# KiCad board keyboard0 - SK6812.kicad_pcb
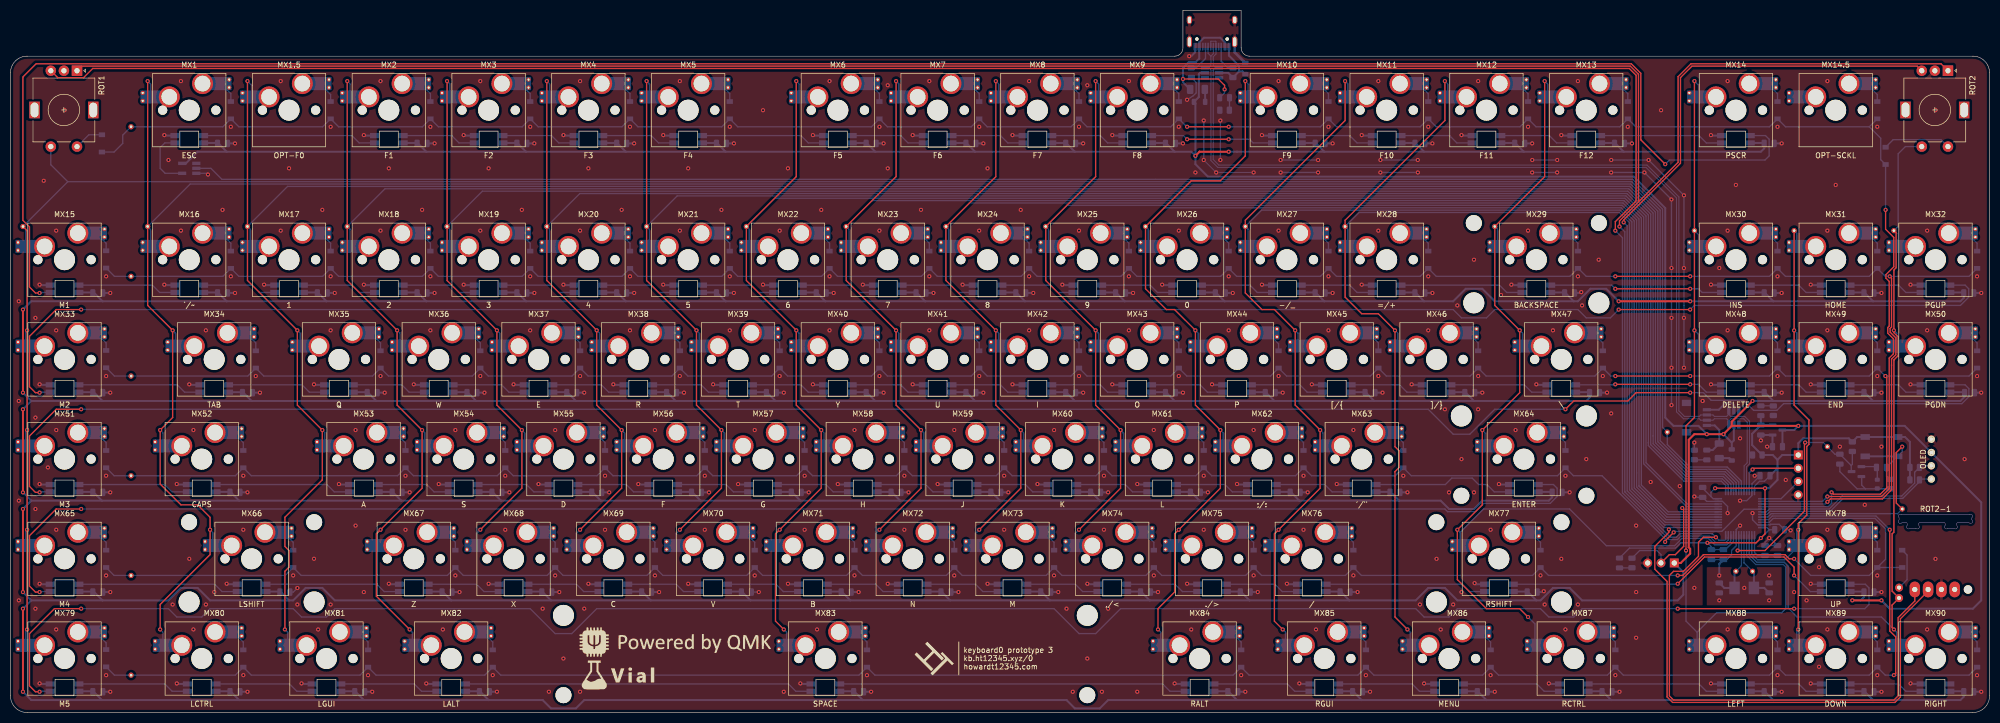
[diagram p0: board, top side]
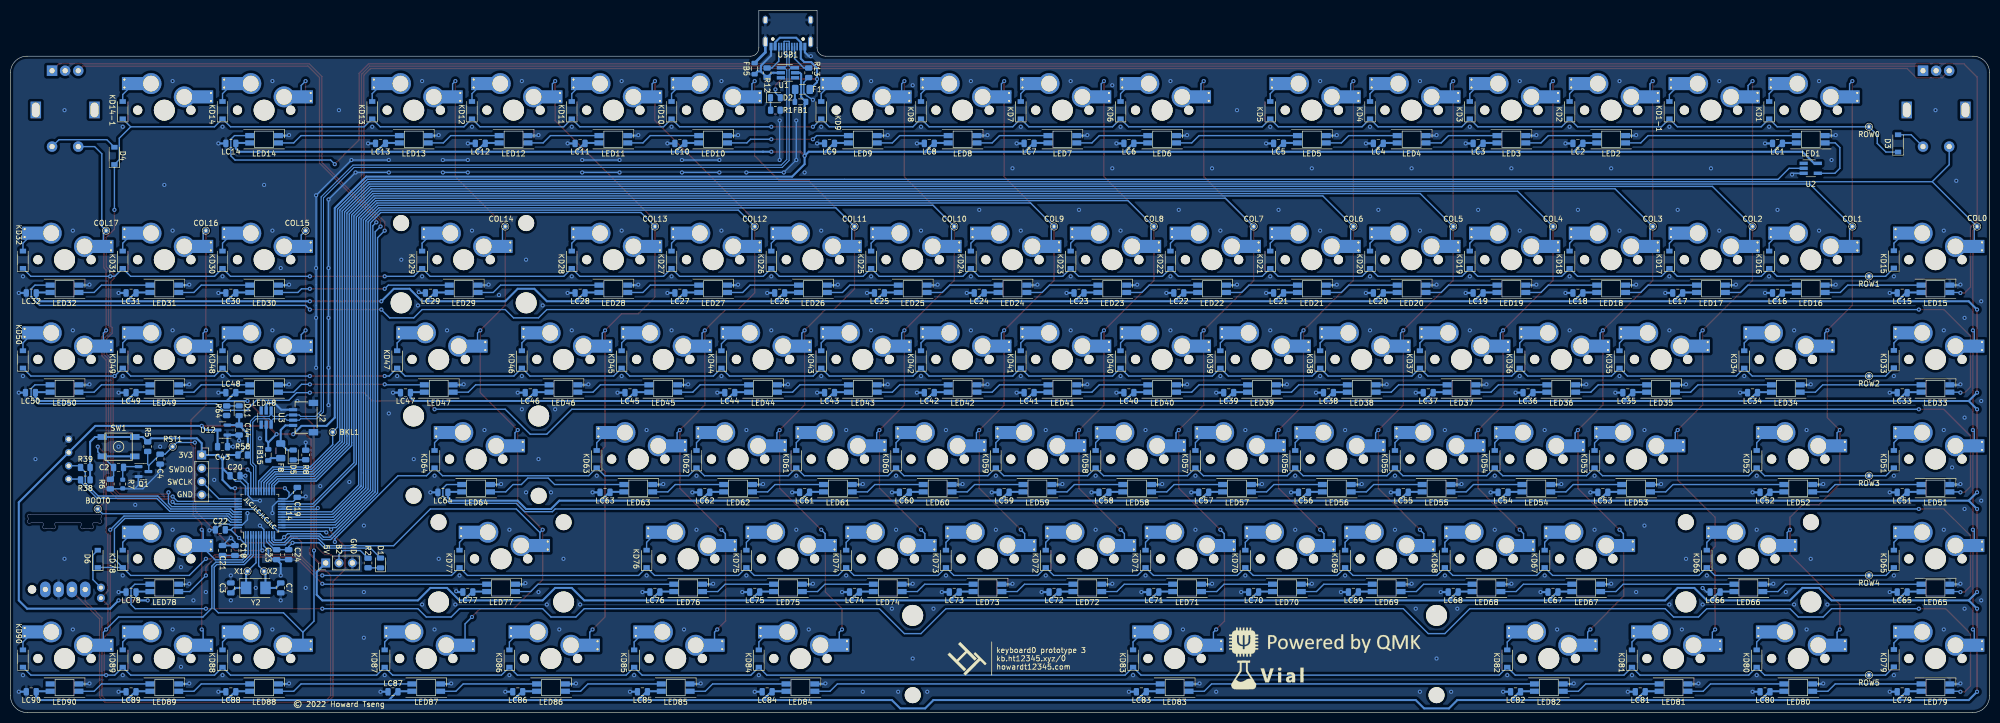
[diagram p1: board, bottom side, seen from below]

Outline 377.8 x 134.14 mm; copper layers: Top, Bottom. Coordinates in mm from the lower left corner of the outline.
Outline path: 0,122.23 arc(0.93,124.47) 3.17,125.4 222.24,125.4 arc(223.36,125.87) 223.82,126.99 223.82,134.14 234.94,134.14 234.94,126.99 arc(235.4,125.87) 236.52,125.4 374.63,125.4 arc(376.87,124.47) 377.8,122.23 377.8,3.17 arc(376.87,0.93) 374.63,0 3.17,0 arc(0.93,0.93) 0,3.17 0,122.23
Stack: Top 0.035mm / dielectric 1.51mm FR4 er 4.5 / Bottom 0.035mm

## Placement (name value [footprint] x y rotation side)
BKL1  TestPoint_Small  [TestPoint_THTPad_D1.0mm_Drill0.5mm]  316.29 53.57 0 bottom
BOOT0  TestPoint_Small  [TestPoint_THTPad_D1.0mm_Drill0.5mm]  361.13 38.89 0 bottom
C2  4.7uF  [C_0805_2012Metric]  357.16 46.83 0 bottom
C3  20pF  [C_0805_2012Metric]  335.74 23.81 90 bottom
C4  1uF  [C_0805_2012Metric]  349.23 48.42 270 bottom
C7  20pF  [C_0805_2012Metric]  326.21 23.81 270 bottom
C18  100nF  [C_0805_2012Metric]  334.94 30.95 90 bottom
C19  100nF  [C_0805_2012Metric]  323.04 42.07 270 bottom
C20  100nF  [C_0805_2012Metric]  334.94 45.24 180 bottom
C21  10uF  [C_0805_2012Metric]  337.32 30.95 90 bottom
C22  100nF  [C_0805_2012Metric]  337.74 34.92 0 bottom
C23  10nF  [C_0805_2012Metric]  327 30.16 90 bottom
C24  1uF  [C_0805_2012Metric]  324.7 30.16 270 bottom
C43  1uF  [C_0805_2012Metric]  337.32 50.8 180 bottom
C44  1uF  [C_0805_2012Metric]  334.15 53.97 270 bottom
COL0  TestPoint_Small  [TestPoint_THTPad_D1.0mm_Drill0.5mm]  2.38 92.86 0 bottom
COL1  TestPoint_Small  [TestPoint_THTPad_D1.0mm_Drill0.5mm]  26.19 92.86 180 bottom
COL2  TestPoint_Small  [TestPoint_THTPad_D1.0mm_Drill0.5mm]  45.24 92.86 180 bottom
COL3  TestPoint_Small  [TestPoint_THTPad_D1.0mm_Drill0.5mm]  64.29 92.86 180 bottom
COL4  TestPoint_Small  [TestPoint_THTPad_D1.0mm_Drill0.5mm]  83.34 92.86 180 bottom
COL5  TestPoint_Small  [TestPoint_THTPad_D1.0mm_Drill0.5mm]  102.39 92.86 180 bottom
COL6  TestPoint_Small  [TestPoint_THTPad_D1.0mm_Drill0.5mm]  121.44 92.86 180 bottom
COL7  TestPoint_Small  [TestPoint_THTPad_D1.0mm_Drill0.5mm]  140.48 92.86 180 bottom
COL8  TestPoint_Small  [TestPoint_THTPad_D1.0mm_Drill0.5mm]  159.53 92.86 180 bottom
COL9  TestPoint_Small  [TestPoint_THTPad_D1.0mm_Drill0.5mm]  178.58 92.86 180 bottom
COL10  TestPoint_Small  [TestPoint_THTPad_D1.0mm_Drill0.5mm]  197.63 92.86 180 bottom
COL11  TestPoint_Small  [TestPoint_THTPad_D1.0mm_Drill0.5mm]  216.68 92.86 180 bottom
COL12  TestPoint_Small  [TestPoint_THTPad_D1.0mm_Drill0.5mm]  235.73 92.86 180 bottom
COL13  TestPoint_Small  [TestPoint_THTPad_D1.0mm_Drill0.5mm]  254.78 92.86 180 bottom
COL14  TestPoint_Small  [TestPoint_THTPad_D1.0mm_Drill0.5mm]  283.35 92.86 180 bottom
COL15  TestPoint_Small  [TestPoint_THTPad_D1.0mm_Drill0.5mm]  321.47 92.07 180 bottom
COL16  TestPoint_Small  [TestPoint_THTPad_D1.0mm_Drill0.5mm]  340.5 92.07 180 bottom
COL17  TestPoint_Small  [TestPoint_THTPad_D1.0mm_Drill0.5mm]  359.55 92.07 180 bottom
D1  Green  [LED_0805_2012Metric]  307.16 28.57 90 bottom
D2  Red  [LED_0805_2012Metric]  231.78 117.47 180 bottom
D3  SOD-123  [D_SOD-123]  17.46 108.74 90 bottom
D4  SOD-123  [D_SOD-123]  357.96 106.36 90 bottom
D5  Red  [LED_0805_2012Metric]  323.83 49.21 90 bottom
D6  SOD-123  [D_SOD-123]  361.13 29.37 90 bottom
D11  Red  [LED_0805_2012Metric]  334.15 57.66 270 bottom
F1  500mA  [Fuse_1206_3216Metric]  226.6 119.06 0 bottom
F8  500mA  [Fuse_1206_3216Metric]  326.21 50 270 bottom
FB1  60 @ 100 MHz  [L_0805_2012Metric]  227 116.67 180 bottom
FB5  60 @ 100 MHz  [L_0805_2012Metric]  235.74 123.02 90 bottom
FB15  60 @ 100 MHz  [L_0805_2012Metric]  328.59 49.21 90 bottom
J1  Conn_01x04  [PinSocket_1x04_P2.54mm_Vertical]  341.29 49.21 180 bottom
J2  SM04B-SRSS-TB(LF)(SN)  [JST-SR-4]  319.07 56.35 90 bottom
J3  Conn_01x03  [PinHeader_1x03_P2.54mm_Vertical]  317.62 28.57 90 bottom
KD1  SOD-123  [D_SOD-123]  42.07 115.09 90 bottom
KD1-1  SOD-123  [D_SOD-123]  61.11 115.09 90 bottom
KD2  SOD-123  [D_SOD-123]  80.16 115.09 90 bottom
KD3  SOD-123  [D_SOD-123]  99.21 115.09 90 bottom
KD4  SOD-123  [D_SOD-123]  118.26 115.09 90 bottom
KD5  SOD-123  [D_SOD-123]  137.31 115.09 90 bottom
KD6  SOD-123  [D_SOD-123]  165.88 115.09 90 bottom
KD7  SOD-123  [D_SOD-123]  184.93 115.09 90 bottom
KD8  SOD-123  [D_SOD-123]  203.98 115.09 90 bottom
KD9  SOD-123  [D_SOD-123]  223.03 115.09 90 bottom
KD10  SOD-123  [D_SOD-123]  251.6 115.09 90 bottom
KD11  SOD-123  [D_SOD-123]  270.65 115.09 90 bottom
KD12  SOD-123  [D_SOD-123]  289.7 115.09 90 bottom
KD13  SOD-123  [D_SOD-123]  308.75 115.09 90 bottom
KD14  SOD-123  [D_SOD-123]  337.32 115.09 90 bottom
KD14-1  SOD-123  [D_SOD-123]  356.37 115.09 90 bottom
KD15  SOD-123  [D_SOD-123]  18.26 86.58 90 bottom
KD16  SOD-123  [D_SOD-123]  42.07 86.51 90 bottom
KD17  SOD-123  [D_SOD-123]  61.11 86.51 90 bottom
KD18  SOD-123  [D_SOD-123]  80.16 86.51 90 bottom
KD19  SOD-123  [D_SOD-123]  99.21 86.51 90 bottom
KD20  SOD-123  [D_SOD-123]  118.26 86.51 90 bottom
KD21  SOD-123  [D_SOD-123]  137.31 86.51 90 bottom
KD22  SOD-123  [D_SOD-123]  156.36 86.51 90 bottom
KD23  SOD-123  [D_SOD-123]  175.41 86.51 90 bottom
KD24  SOD-123  [D_SOD-123]  194.46 86.51 90 bottom
KD25  SOD-123  [D_SOD-123]  213.51 86.51 90 bottom
KD26  SOD-123  [D_SOD-123]  232.55 86.51 90 bottom
KD27  SOD-123  [D_SOD-123]  251.6 86.51 90 bottom
KD28  SOD-123  [D_SOD-123]  270.65 86.51 90 bottom
KD29  SOD-123  [D_SOD-123]  299.22 86.51 90 bottom
KD30  SOD-123  [D_SOD-123]  337.32 86.51 90 bottom
KD31  SOD-123  [D_SOD-123]  356.37 86.51 90 bottom
KD32  SOD-123  [D_SOD-123]  375.42 86.51 90 bottom
KD33  SOD-123  [D_SOD-123]  18.26 67.53 90 bottom
KD34  SOD-123  [D_SOD-123]  46.83 67.46 90 bottom
KD35  SOD-123  [D_SOD-123]  70.64 67.46 90 bottom
KD36  SOD-123  [D_SOD-123]  89.69 67.46 90 bottom
KD37  SOD-123  [D_SOD-123]  108.74 67.46 90 bottom
KD38  SOD-123  [D_SOD-123]  127.79 67.46 90 bottom
KD39  SOD-123  [D_SOD-123]  146.83 67.46 90 bottom
KD40  SOD-123  [D_SOD-123]  165.88 67.46 90 bottom
KD41  SOD-123  [D_SOD-123]  184.93 67.46 90 bottom
KD42  SOD-123  [D_SOD-123]  203.98 67.46 90 bottom
KD43  SOD-123  [D_SOD-123]  223.03 67.46 90 bottom
KD44  SOD-123  [D_SOD-123]  242.08 67.46 90 bottom
KD45  SOD-123  [D_SOD-123]  261.13 67.46 90 bottom
KD46  SOD-123  [D_SOD-123]  280.18 67.46 90 bottom
KD47  SOD-123  [D_SOD-123]  303.99 67.46 90 bottom
KD48  SOD-123  [D_SOD-123]  337.32 67.46 90 bottom
KD49  SOD-123  [D_SOD-123]  356.37 67.46 90 bottom
KD50  SOD-123  [D_SOD-123]  375.42 67.46 90 bottom
KD51  SOD-123  [D_SOD-123]  18.26 48.42 90 bottom
KD52  SOD-123  [D_SOD-123]  44.45 48.42 90 bottom
KD53  SOD-123  [D_SOD-123]  75.4 48.42 90 bottom
KD54  SOD-123  [D_SOD-123]  94.45 48.42 90 bottom
KD55  SOD-123  [D_SOD-123]  113.5 48.42 90 bottom
KD56  SOD-123  [D_SOD-123]  132.55 48.42 90 bottom
KD57  SOD-123  [D_SOD-123]  151.6 48.42 90 bottom
KD58  SOD-123  [D_SOD-123]  170.65 48.42 90 bottom
KD59  SOD-123  [D_SOD-123]  189.69 48.42 90 bottom
KD60  SOD-123  [D_SOD-123]  208.74 48.42 90 bottom
KD61  SOD-123  [D_SOD-123]  227.79 48.42 90 bottom
KD62  SOD-123  [D_SOD-123]  246.84 48.42 90 bottom
KD63  SOD-123  [D_SOD-123]  265.89 48.42 90 bottom
KD64  SOD-123  [D_SOD-123]  296.84 48.42 90 bottom
KD65  SOD-123  [D_SOD-123]  18.26 29.37 90 bottom
KD66  SOD-123  [D_SOD-123]  53.97 29.37 90 bottom
KD67  SOD-123  [D_SOD-123]  84.93 29.37 90 bottom
KD68  SOD-123  [D_SOD-123]  103.97 29.37 90 bottom
KD69  SOD-123  [D_SOD-123]  123.02 29.37 90 bottom
KD70  SOD-123  [D_SOD-123]  142.07 29.37 90 bottom
KD71  SOD-123  [D_SOD-123]  161.12 29.37 90 bottom
KD72  SOD-123  [D_SOD-123]  180.17 29.37 90 bottom
KD73  SOD-123  [D_SOD-123]  199.22 29.37 90 bottom
KD74  SOD-123  [D_SOD-123]  218.27 29.37 90 bottom
KD75  SOD-123  [D_SOD-123]  237.32 29.37 90 bottom
KD76  SOD-123  [D_SOD-123]  256.37 29.37 90 bottom
KD77  SOD-123  [D_SOD-123]  292.08 29.37 90 bottom
KD78  SOD-123  [D_SOD-123]  356.37 29.37 90 bottom
KD79  SOD-123  [D_SOD-123]  18.26 10.38 90 bottom
KD80  SOD-123  [D_SOD-123]  44.45 10.32 90 bottom
KD81  SOD-123  [D_SOD-123]  68.26 10.32 90 bottom
KD82  SOD-123  [D_SOD-123]  92.07 10.32 90 bottom
KD83  SOD-123  [D_SOD-123]  163.5 10.32 90 bottom
KD84  SOD-123  [D_SOD-123]  234.94 10.32 90 bottom
KD85  SOD-123  [D_SOD-123]  258.75 10.32 90 bottom
KD86  SOD-123  [D_SOD-123]  282.56 10.32 90 bottom
KD87  SOD-123  [D_SOD-123]  306.37 10.32 90 bottom
KD88  SOD-123  [D_SOD-123]  337.32 10.32 90 bottom
KD89  SOD-123  [D_SOD-123]  356.37 10.32 90 bottom
KD90  SOD-123  [D_SOD-123]  375.42 10.32 90 bottom
LC1  100nF  [C_0805_2012Metric]  40.48 108.74 180 bottom
LC2  100nF  [C_0805_2012Metric]  78.58 108.74 180 bottom
LC3  100nF  [C_0805_2012Metric]  97.63 108.74 180 bottom
LC4  100nF  [C_0805_2012Metric]  116.67 108.74 180 bottom
LC5  100nF  [C_0805_2012Metric]  135.72 108.74 180 bottom
LC6  100nF  [C_0805_2012Metric]  164.3 108.74 180 bottom
LC7  100nF  [C_0805_2012Metric]  183.34 108.74 180 bottom
LC8  100nF  [C_0805_2012Metric]  202.39 108.74 180 bottom
LC9  100nF  [C_0805_2012Metric]  221.44 108.74 180 bottom
LC10  100nF  [C_0805_2012Metric]  250.02 108.74 180 bottom
LC11  100nF  [C_0805_2012Metric]  269.06 108.74 180 bottom
LC12  100nF  [C_0805_2012Metric]  288.11 108.74 180 bottom
LC13  100nF  [C_0805_2012Metric]  307.16 108.74 180 bottom
LC14  100nF  [C_0805_2012Metric]  335.74 108.74 180 bottom
LC15  100nF  [C_0805_2012Metric]  16.67 80.16 180 bottom
LC16  100nF  [C_0805_2012Metric]  40.48 80.16 180 bottom
LC17  100nF  [C_0805_2012Metric]  59.53 80.16 180 bottom
LC18  100nF  [C_0805_2012Metric]  78.58 80.16 180 bottom
LC19  100nF  [C_0805_2012Metric]  97.63 80.16 180 bottom
LC20  100nF  [C_0805_2012Metric]  116.67 80.16 180 bottom
LC21  100nF  [C_0805_2012Metric]  135.72 80.16 180 bottom
LC22  100nF  [C_0805_2012Metric]  154.77 80.16 180 bottom
LC23  100nF  [C_0805_2012Metric]  173.82 80.16 180 bottom
LC24  100nF  [C_0805_2012Metric]  192.87 80.16 180 bottom
LC25  100nF  [C_0805_2012Metric]  211.92 80.16 180 bottom
LC26  100nF  [C_0805_2012Metric]  230.97 80.16 180 bottom
LC27  100nF  [C_0805_2012Metric]  250.02 80.16 180 bottom
LC28  100nF  [C_0805_2012Metric]  269.06 80.16 180 bottom
LC29  100nF  [C_0805_2012Metric]  297.64 80.16 180 bottom
LC30  100nF  [C_0805_2012Metric]  335.74 80.16 180 bottom
LC31  100nF  [C_0805_2012Metric]  354.78 80.16 180 bottom
LC32  100nF  [C_0805_2012Metric]  373.83 80.16 180 bottom
LC33  100nF  [C_0805_2012Metric]  16.67 61.11 180 bottom
LC34  100nF  [C_0805_2012Metric]  45.24 61.11 180 bottom
LC35  100nF  [C_0805_2012Metric]  69.05 61.11 180 bottom
LC36  100nF  [C_0805_2012Metric]  88.1 61.11 180 bottom
LC37  100nF  [C_0805_2012Metric]  107.15 61.11 180 bottom
LC38  100nF  [C_0805_2012Metric]  126.2 61.11 180 bottom
LC39  100nF  [C_0805_2012Metric]  145.25 61.11 180 bottom
LC40  100nF  [C_0805_2012Metric]  164.3 61.11 180 bottom
LC41  100nF  [C_0805_2012Metric]  183.34 61.11 180 bottom
LC42  100nF  [C_0805_2012Metric]  202.39 61.11 180 bottom
LC43  100nF  [C_0805_2012Metric]  221.44 61.11 180 bottom
LC44  100nF  [C_0805_2012Metric]  240.49 61.11 180 bottom
LC45  100nF  [C_0805_2012Metric]  259.54 61.11 180 bottom
LC46  100nF  [C_0805_2012Metric]  278.59 61.11 180 bottom
LC47  100nF  [C_0805_2012Metric]  302.4 61.11 180 bottom
LC48  100nF  [C_0805_2012Metric]  335.74 61.11 180 bottom
LC49  100nF  [C_0805_2012Metric]  354.78 61.11 180 bottom
LC50  100nF  [C_0805_2012Metric]  373.99 61.11 180 bottom
LC51  100nF  [C_0805_2012Metric]  16.67 42.07 180 bottom
LC52  100nF  [C_0805_2012Metric]  42.86 42.07 180 bottom
LC53  100nF  [C_0805_2012Metric]  73.81 42.07 180 bottom
LC54  100nF  [C_0805_2012Metric]  92.86 42.07 180 bottom
LC55  100nF  [C_0805_2012Metric]  111.91 42.07 180 bottom
LC56  100nF  [C_0805_2012Metric]  130.96 42.07 180 bottom
LC57  100nF  [C_0805_2012Metric]  150.01 42.07 180 bottom
LC58  100nF  [C_0805_2012Metric]  169.06 42.07 180 bottom
LC59  100nF  [C_0805_2012Metric]  188.11 42.07 180 bottom
LC60  100nF  [C_0805_2012Metric]  207.16 42.07 180 bottom
LC61  100nF  [C_0805_2012Metric]  226.2 42.07 180 bottom
LC62  100nF  [C_0805_2012Metric]  245.25 42.07 180 bottom
LC63  100nF  [C_0805_2012Metric]  264.3 42.07 180 bottom
LC64  100nF  [C_0805_2012Metric]  295.26 42.07 180 bottom
LC65  100nF  [C_0805_2012Metric]  16.67 23.02 180 bottom
LC66  100nF  [C_0805_2012Metric]  52.38 23.02 180 bottom
LC67  100nF  [C_0805_2012Metric]  83.34 23.02 180 bottom
LC68  100nF  [C_0805_2012Metric]  102.39 23.02 180 bottom
LC69  100nF  [C_0805_2012Metric]  121.44 23.02 180 bottom
LC70  100nF  [C_0805_2012Metric]  140.48 23.02 180 bottom
LC71  100nF  [C_0805_2012Metric]  159.53 23.02 180 bottom
LC72  100nF  [C_0805_2012Metric]  178.58 23.02 180 bottom
LC73  100nF  [C_0805_2012Metric]  197.63 23.02 180 bottom
LC74  100nF  [C_0805_2012Metric]  216.68 23.02 180 bottom
LC75  100nF  [C_0805_2012Metric]  235.73 23.02 180 bottom
LC76  100nF  [C_0805_2012Metric]  254.78 23.02 180 bottom
LC77  100nF  [C_0805_2012Metric]  290.49 23.02 180 bottom
LC78  100nF  [C_0805_2012Metric]  354.78 23.02 180 bottom
LC79  100nF  [C_0805_2012Metric]  16.67 3.97 180 bottom
LC80  100nF  [C_0805_2012Metric]  42.86 3.97 180 bottom
LC81  100nF  [C_0805_2012Metric]  66.67 3.97 180 bottom
LC82  100nF  [C_0805_2012Metric]  90.48 3.97 180 bottom
LC83  100nF  [C_0805_2012Metric]  161.91 3.97 180 bottom
LC84  100nF  [C_0805_2012Metric]  233.35 3.97 180 bottom
LC85  100nF  [C_0805_2012Metric]  257.16 3.97 180 bottom
LC86  100nF  [C_0805_2012Metric]  280.97 3.97 180 bottom
LC87  100nF  [C_0805_2012Metric]  304.78 3.97 180 bottom
LC88  100nF  [C_0805_2012Metric]  335.74 3.97 180 bottom
LC89  100nF  [C_0805_2012Metric]  354.78 3.97 180 bottom
LC90  100nF  [C_0805_2012Metric]  373.83 3.97 180 bottom
LED1  SK6812MINI  [YS-SK6812MINI-E]  34.13 109.53 180 bottom
LED2  SK6812MINI  [YS-SK6812MINI-E]  72.23 109.53 180 bottom
LED3  SK6812MINI  [YS-SK6812MINI-E]  91.28 109.53 180 bottom
LED4  SK6812MINI  [YS-SK6812MINI-E]  110.32 109.53 180 bottom
LED5  SK6812MINI  [YS-SK6812MINI-E]  129.37 109.53 180 bottom
LED6  SK6812MINI  [YS-SK6812MINI-E]  157.95 109.53 180 bottom
LED7  SK6812MINI  [YS-SK6812MINI-E]  177 109.53 180 bottom
LED8  SK6812MINI  [YS-SK6812MINI-E]  196.04 109.53 180 bottom
LED9  SK6812MINI  [YS-SK6812MINI-E]  215.09 109.53 180 bottom
LED10  SK6812MINI  [YS-SK6812MINI-E]  243.67 109.53 180 bottom
LED11  SK6812MINI  [YS-SK6812MINI-E]  262.71 109.53 180 bottom
LED12  SK6812MINI  [YS-SK6812MINI-E]  281.76 109.53 180 bottom
LED13  SK6812MINI  [YS-SK6812MINI-E]  300.81 109.53 180 bottom
LED14  SK6812MINI  [YS-SK6812MINI-E]  329.39 109.53 180 bottom
LED15  SK6812MINI  [YS-SK6812MINI-E]  10.32 80.96 180 bottom
LED16  SK6812MINI  [YS-SK6812MINI-E]  34.13 80.96 180 bottom
LED17  SK6812MINI  [YS-SK6812MINI-E]  53.18 80.96 180 bottom
LED18  SK6812MINI  [YS-SK6812MINI-E]  72.23 80.96 180 bottom
LED19  SK6812MINI  [YS-SK6812MINI-E]  91.28 80.96 180 bottom
LED20  SK6812MINI  [YS-SK6812MINI-E]  110.32 80.96 180 bottom
LED21  SK6812MINI  [YS-SK6812MINI-E]  129.37 80.96 180 bottom
LED22  SK6812MINI  [YS-SK6812MINI-E]  148.42 80.96 180 bottom
LED23  SK6812MINI  [YS-SK6812MINI-E]  167.47 80.96 180 bottom
LED24  SK6812MINI  [YS-SK6812MINI-E]  186.52 80.96 180 bottom
LED25  SK6812MINI  [YS-SK6812MINI-E]  205.57 80.96 180 bottom
LED26  SK6812MINI  [YS-SK6812MINI-E]  224.62 80.96 180 bottom
LED27  SK6812MINI  [YS-SK6812MINI-E]  243.67 80.96 180 bottom
LED28  SK6812MINI  [YS-SK6812MINI-E]  262.71 80.96 180 bottom
LED29  SK6812MINI  [YS-SK6812MINI-E]  291.29 80.96 180 bottom
LED30  SK6812MINI  [YS-SK6812MINI-E]  329.39 80.96 180 bottom
LED31  SK6812MINI  [YS-SK6812MINI-E]  348.43 80.96 180 bottom
LED32  SK6812MINI  [YS-SK6812MINI-E]  367.48 80.96 180 bottom
LED33  SK6812MINI  [YS-SK6812MINI-E]  10.32 61.91 180 bottom
LED34  SK6812MINI  [YS-SK6812MINI-E]  38.89 61.91 180 bottom
LED35  SK6812MINI  [YS-SK6812MINI-E]  62.7 61.91 180 bottom
LED36  SK6812MINI  [YS-SK6812MINI-E]  81.75 61.91 180 bottom
LED37  SK6812MINI  [YS-SK6812MINI-E]  100.8 61.91 180 bottom
LED38  SK6812MINI  [YS-SK6812MINI-E]  119.85 61.91 180 bottom
LED39  SK6812MINI  [YS-SK6812MINI-E]  138.9 61.91 180 bottom
LED40  SK6812MINI  [YS-SK6812MINI-E]  157.95 61.91 180 bottom
LED41  SK6812MINI  [YS-SK6812MINI-E]  177 61.91 180 bottom
LED42  SK6812MINI  [YS-SK6812MINI-E]  196.04 61.91 180 bottom
LED43  SK6812MINI  [YS-SK6812MINI-E]  215.09 61.91 180 bottom
LED44  SK6812MINI  [YS-SK6812MINI-E]  234.14 61.91 180 bottom
LED45  SK6812MINI  [YS-SK6812MINI-E]  253.19 61.91 180 bottom
LED46  SK6812MINI  [YS-SK6812MINI-E]  272.24 61.91 180 bottom
LED47  SK6812MINI  [YS-SK6812MINI-E]  296.05 61.91 180 bottom
LED48  SK6812MINI  [YS-SK6812MINI-E]  329.39 61.91 180 bottom
LED49  SK6812MINI  [YS-SK6812MINI-E]  348.43 61.91 180 bottom
LED50  SK6812MINI  [YS-SK6812MINI-E]  367.48 61.91 180 bottom
LED51  SK6812MINI  [YS-SK6812MINI-E]  10.32 42.86 180 bottom
LED52  SK6812MINI  [YS-SK6812MINI-E]  36.51 42.86 180 bottom
LED53  SK6812MINI  [YS-SK6812MINI-E]  67.46 42.86 180 bottom
LED54  SK6812MINI  [YS-SK6812MINI-E]  86.51 42.86 180 bottom
LED55  SK6812MINI  [YS-SK6812MINI-E]  105.56 42.86 180 bottom
LED56  SK6812MINI  [YS-SK6812MINI-E]  124.61 42.86 180 bottom
LED57  SK6812MINI  [YS-SK6812MINI-E]  143.66 42.86 180 bottom
LED58  SK6812MINI  [YS-SK6812MINI-E]  162.71 42.86 180 bottom
LED59  SK6812MINI  [YS-SK6812MINI-E]  181.76 42.86 180 bottom
LED60  SK6812MINI  [YS-SK6812MINI-E]  200.81 42.86 180 bottom
LED61  SK6812MINI  [YS-SK6812MINI-E]  219.85 42.86 180 bottom
LED62  SK6812MINI  [YS-SK6812MINI-E]  238.9 42.86 180 bottom
LED63  SK6812MINI  [YS-SK6812MINI-E]  257.95 42.86 180 bottom
LED64  SK6812MINI  [YS-SK6812MINI-E]  288.91 42.86 180 bottom
LED65  SK6812MINI  [YS-SK6812MINI-E]  10.32 23.81 180 bottom
LED66  SK6812MINI  [YS-SK6812MINI-E]  46.03 23.81 180 bottom
LED67  SK6812MINI  [YS-SK6812MINI-E]  76.99 23.81 180 bottom
LED68  SK6812MINI  [YS-SK6812MINI-E]  96.04 23.81 180 bottom
LED69  SK6812MINI  [YS-SK6812MINI-E]  115.09 23.81 180 bottom
LED70  SK6812MINI  [YS-SK6812MINI-E]  134.14 23.81 180 bottom
LED71  SK6812MINI  [YS-SK6812MINI-E]  153.18 23.81 180 bottom
LED72  SK6812MINI  [YS-SK6812MINI-E]  172.23 23.81 180 bottom
LED73  SK6812MINI  [YS-SK6812MINI-E]  191.28 23.81 180 bottom
LED74  SK6812MINI  [YS-SK6812MINI-E]  210.33 23.81 180 bottom
LED75  SK6812MINI  [YS-SK6812MINI-E]  229.38 23.81 180 bottom
LED76  SK6812MINI  [YS-SK6812MINI-E]  248.43 23.81 180 bottom
LED77  SK6812MINI  [YS-SK6812MINI-E]  284.14 23.81 180 bottom
LED78  SK6812MINI  [YS-SK6812MINI-E]  348.43 23.81 180 bottom
LED79  SK6812MINI  [YS-SK6812MINI-E]  10.32 4.76 180 bottom
LED80  SK6812MINI  [YS-SK6812MINI-E]  36.51 4.76 180 bottom
LED81  SK6812MINI  [YS-SK6812MINI-E]  60.32 4.76 180 bottom
LED82  SK6812MINI  [YS-SK6812MINI-E]  84.13 4.76 180 bottom
LED83  SK6812MINI  [YS-SK6812MINI-E]  155.57 4.76 180 bottom
LED84  SK6812MINI  [YS-SK6812MINI-E]  227 4.76 180 bottom
LED85  SK6812MINI  [YS-SK6812MINI-E]  250.81 4.76 180 bottom
LED86  SK6812MINI  [YS-SK6812MINI-E]  274.62 4.76 180 bottom
LED87  SK6812MINI  [YS-SK6812MINI-E]  298.43 4.76 180 bottom
LED88  SK6812MINI  [YS-SK6812MINI-E]  329.39 4.76 180 bottom
LED89  SK6812MINI  [YS-SK6812MINI-E]  348.43 4.76 180 bottom
LED90  SK6812MINI  [YS-SK6812MINI-E]  367.48 4.76 180 bottom
LOGO0  Logo  [logo]  195.25 13.49 0 top
LOGO0#2  Logo  [logo]  176.27 13.52 180 bottom
LOGO1  QMK  [qmk]  126.99 13.49 0 top
LOGO1#2  QMK  [qmk]  126.83 13.49 180 bottom
LOGO2  Vial  [vial_logo]  116.88 7.14 0 top
LOGO2#2  Vial  [vial_logo]  136.94 7.14 180 bottom
MX1  ESC  [CherryMX_1.00u_PCB_KailhSocket]  34.13 115.09 0 top
MX1.5  OPT-F0  [CherryMX_1.00u_PCB_KailhSocket]  53.18 115.09 0 top
MX2  F1  [CherryMX_1.00u_PCB_KailhSocket]  72.23 115.09 0 top
MX3  F2  [CherryMX_1.00u_PCB_KailhSocket]  91.28 115.09 0 top
MX4  F3  [CherryMX_1.00u_PCB_KailhSocket]  110.32 115.09 0 top
MX5  F4  [CherryMX_1.00u_PCB_KailhSocket]  129.37 115.09 0 top
MX6  F5  [CherryMX_1.00u_PCB_KailhSocket]  157.95 115.09 0 top
MX7  F6  [CherryMX_1.00u_PCB_KailhSocket]  177 115.09 0 top
MX8  F7  [CherryMX_1.00u_PCB_KailhSocket]  196.04 115.09 0 top
MX9  F8  [CherryMX_1.00u_PCB_KailhSocket]  215.09 115.09 0 top
MX10  F9  [CherryMX_1.00u_PCB_KailhSocket]  243.67 115.09 0 top
MX11  F10  [CherryMX_1.00u_PCB_KailhSocket]  262.71 115.09 0 top
MX12  F11  [CherryMX_1.00u_PCB_KailhSocket]  281.76 115.09 0 top
MX13  F12  [CherryMX_1.00u_PCB_KailhSocket]  300.81 115.09 0 top
MX14  PSCR  [CherryMX_1.00u_PCB_KailhSocket]  329.39 115.09 0 top
MX14.5  OPT-SCKL  [CherryMX_1.00u_PCB_KailhSocket]  348.43 115.09 0 top
MX15  M1  [CherryMX_1.00u_PCB_KailhSocket]  10.32 86.51 0 top
MX16  `/~  [CherryMX_1.00u_PCB_KailhSocket]  34.13 86.51 0 top
MX17  1  [CherryMX_1.00u_PCB_KailhSocket]  53.18 86.51 0 top
MX18  2  [CherryMX_1.00u_PCB_KailhSocket]  72.23 86.51 0 top
MX19  3  [CherryMX_1.00u_PCB_KailhSocket]  91.28 86.51 0 top
MX20  4  [CherryMX_1.00u_PCB_KailhSocket]  110.32 86.51 0 top
MX21  5  [CherryMX_1.00u_PCB_KailhSocket]  129.37 86.51 0 top
MX22  6  [CherryMX_1.00u_PCB_KailhSocket]  148.42 86.51 0 top
MX23  7  [CherryMX_1.00u_PCB_KailhSocket]  167.47 86.51 0 top
MX24  8  [CherryMX_1.00u_PCB_KailhSocket]  186.52 86.51 0 top
MX25  9  [CherryMX_1.00u_PCB_KailhSocket]  205.57 86.51 0 top
MX26  0  [CherryMX_1.00u_PCB_KailhSocket]  224.62 86.51 0 top
MX27  -/_  [CherryMX_1.00u_PCB_KailhSocket]  243.67 86.51 0 top
MX28  =/+  [CherryMX_1.00u_PCB_KailhSocket]  262.71 86.51 0 top
MX29  BACKSPACE  [CherryMX_2.00u_PCB_KailhSocket_StabWireBottom]  291.29 86.51 0 top
MX30  INS  [CherryMX_1.00u_PCB_KailhSocket]  329.39 86.51 0 top
MX31  HOME  [CherryMX_1.00u_PCB_KailhSocket]  348.43 86.51 0 top
MX32  PGUP  [CherryMX_1.00u_PCB_KailhSocket]  367.48 86.51 0 top
MX33  M2  [CherryMX_1.00u_PCB_KailhSocket]  10.32 67.46 0 top
MX34  TAB  [CherryMX_1.50u_PCB_KailhSocket]  38.89 67.46 0 top
MX35  Q  [CherryMX_1.00u_PCB_KailhSocket]  62.7 67.46 0 top
MX36  W  [CherryMX_1.00u_PCB_KailhSocket]  81.75 67.46 0 top
MX37  E  [CherryMX_1.00u_PCB_KailhSocket]  100.8 67.46 0 top
MX38  R  [CherryMX_1.00u_PCB_KailhSocket]  119.85 67.46 0 top
MX39  T  [CherryMX_1.00u_PCB_KailhSocket]  138.9 67.46 0 top
MX40  Y  [CherryMX_1.00u_PCB_KailhSocket]  157.95 67.46 0 top
MX41  U  [CherryMX_1.00u_PCB_KailhSocket]  177 67.46 0 top
MX42  I  [CherryMX_1.00u_PCB_KailhSocket]  196.04 67.46 0 top
MX43  O  [CherryMX_1.00u_PCB_KailhSocket]  215.09 67.46 0 top
MX44  P  [CherryMX_1.00u_PCB_KailhSocket]  234.14 67.46 0 top
MX45  [/{  [CherryMX_1.00u_PCB_KailhSocket]  253.19 67.46 0 top
MX46  ]/}  [CherryMX_1.00u_PCB_KailhSocket]  272.24 67.46 0 top
MX47  \  [CherryMX_1.50u_PCB_KailhSocket]  296.05 67.46 0 top
MX48  DELETE  [CherryMX_1.00u_PCB_KailhSocket]  329.39 67.46 0 top
MX49  END  [CherryMX_1.00u_PCB_KailhSocket]  348.43 67.46 0 top
MX50  PGDN  [CherryMX_1.00u_PCB_KailhSocket]  367.48 67.46 0 top
MX51  M3  [CherryMX_1.00u_PCB_KailhSocket]  10.32 48.42 0 top
MX52  CAPS  [CherryMX_1.75u_PCB_KailhSocket]  36.51 48.42 0 top
MX53  A  [CherryMX_1.00u_PCB_KailhSocket]  67.41 48.42 0 top
MX54  S  [CherryMX_1.00u_PCB_KailhSocket]  86.51 48.42 0 top
MX55  D  [CherryMX_1.00u_PCB_KailhSocket]  105.56 48.42 0 top
MX56  F  [CherryMX_1.00u_PCB_KailhSocket]  124.61 48.42 0 top
MX57  G  [CherryMX_1.00u_PCB_KailhSocket]  143.66 48.42 0 top
MX58  H  [CherryMX_1.00u_PCB_KailhSocket]  162.71 48.42 0 top
MX59  J  [CherryMX_1.00u_PCB_KailhSocket]  181.76 48.42 0 top
MX60  K  [CherryMX_1.00u_PCB_KailhSocket]  200.81 48.42 0 top
MX61  L  [CherryMX_1.00u_PCB_KailhSocket]  219.85 48.42 0 top
MX62  ;/:  [CherryMX_1.00u_PCB_KailhSocket]  238.9 48.42 0 top
MX63  '/"  [CherryMX_1.00u_PCB_KailhSocket]  257.95 48.42 0 top
MX64  ENTER  [CherryMX_2.25u_PCB_KailhSocket_StabWireTop]  288.91 48.42 0 top
MX65  M4  [CherryMX_1.00u_PCB_KailhSocket]  10.32 29.37 0 top
MX66  LSHIFT  [CherryMX_2.25u_PCB_KailhSocket_StabWireBottom]  46.03 29.37 0 top
MX67  Z  [CherryMX_1.00u_PCB_KailhSocket]  76.99 29.37 0 top
MX68  X  [CherryMX_1.00u_PCB_KailhSocket]  96.04 29.37 0 top
MX69  C  [CherryMX_1.00u_PCB_KailhSocket]  115.09 29.37 0 top
MX70  V  [CherryMX_1.00u_PCB_KailhSocket]  134.14 29.37 0 top
MX71  B  [CherryMX_1.00u_PCB_KailhSocket]  153.18 29.37 0 top
MX72  N  [CherryMX_1.00u_PCB_KailhSocket]  172.23 29.37 0 top
MX73  M  [CherryMX_1.00u_PCB_KailhSocket]  191.28 29.37 0 top
MX74  ,/<  [CherryMX_1.00u_PCB_KailhSocket]  210.33 29.37 0 top
MX75  ./>  [CherryMX_1.00u_PCB_KailhSocket]  229.38 29.37 0 top
MX76  /  [CherryMX_1.00u_PCB_KailhSocket]  248.43 29.37 0 top
MX77  RSHIFT  [CherryMX_2.75u_PCB_KailhSocket_StabWireBottom]  284.14 29.37 0 top
MX78  UP  [CherryMX_1.00u_PCB_KailhSocket]  348.43 29.37 0 top
MX79  M5  [CherryMX_1.00u_PCB_KailhSocket]  10.32 10.32 0 top
MX80  LCTRL  [CherryMX_1.25u_PCB_KailhSocket]  36.51 10.32 0 top
MX81  LGUI  [CherryMX_1.25u_PCB_KailhSocket]  60.32 10.32 0 top
MX82  LALT  [CherryMX_1.25u_PCB_KailhSocket]  84.13 10.32 0 top
MX83  SPACE  [CherryMX_6.25u_PCB_KailhSocket_StabWireTop]  155.57 10.32 0 top
MX84  RALT  [CherryMX_1.25u_PCB_KailhSocket]  227 10.32 0 top
MX85  RGUI  [CherryMX_1.25u_PCB_KailhSocket]  250.81 10.32 0 top
MX86  MENU  [CherryMX_1.25u_PCB_KailhSocket]  274.62 10.32 0 top
MX87  RCTRL  [CherryMX_1.25u_PCB_KailhSocket]  298.43 10.32 0 top
MX88  LEFT  [CherryMX_1.00u_PCB_KailhSocket]  329.39 10.32 0 top
MX89  DOWN  [CherryMX_1.00u_PCB_KailhSocket]  348.43 10.32 0 top
MX90  RIGHT  [CherryMX_1.00u_PCB_KailhSocket]  367.48 10.32 0 top
OL1  OLED  [OLED_v2]  366.69 48.42 90 top
Q1  2N7002  [SOT-23]  352.4 46.03 180 bottom
R1  680  [R_0805_2012Metric]  231.78 115.09 0 bottom
R2  510  [R_0805_2012Metric]  309.54 28.57 270 bottom
R5  10k  [R_0805_2012Metric]  351.61 50.8 270 bottom
R6  10k  [R_0805_2012Metric]  358.75 43.65 270 bottom
R7  100k  [R_0603_1608Metric]  356.37 43.65 270 bottom
R8  680  [R_0805_2012Metric]  321.45 49.21 270 bottom
R12  5.1K  [R_0805_2012Metric]  233.36 122.23 270 bottom